# Allegro board com_v1_p3.brd (continued)
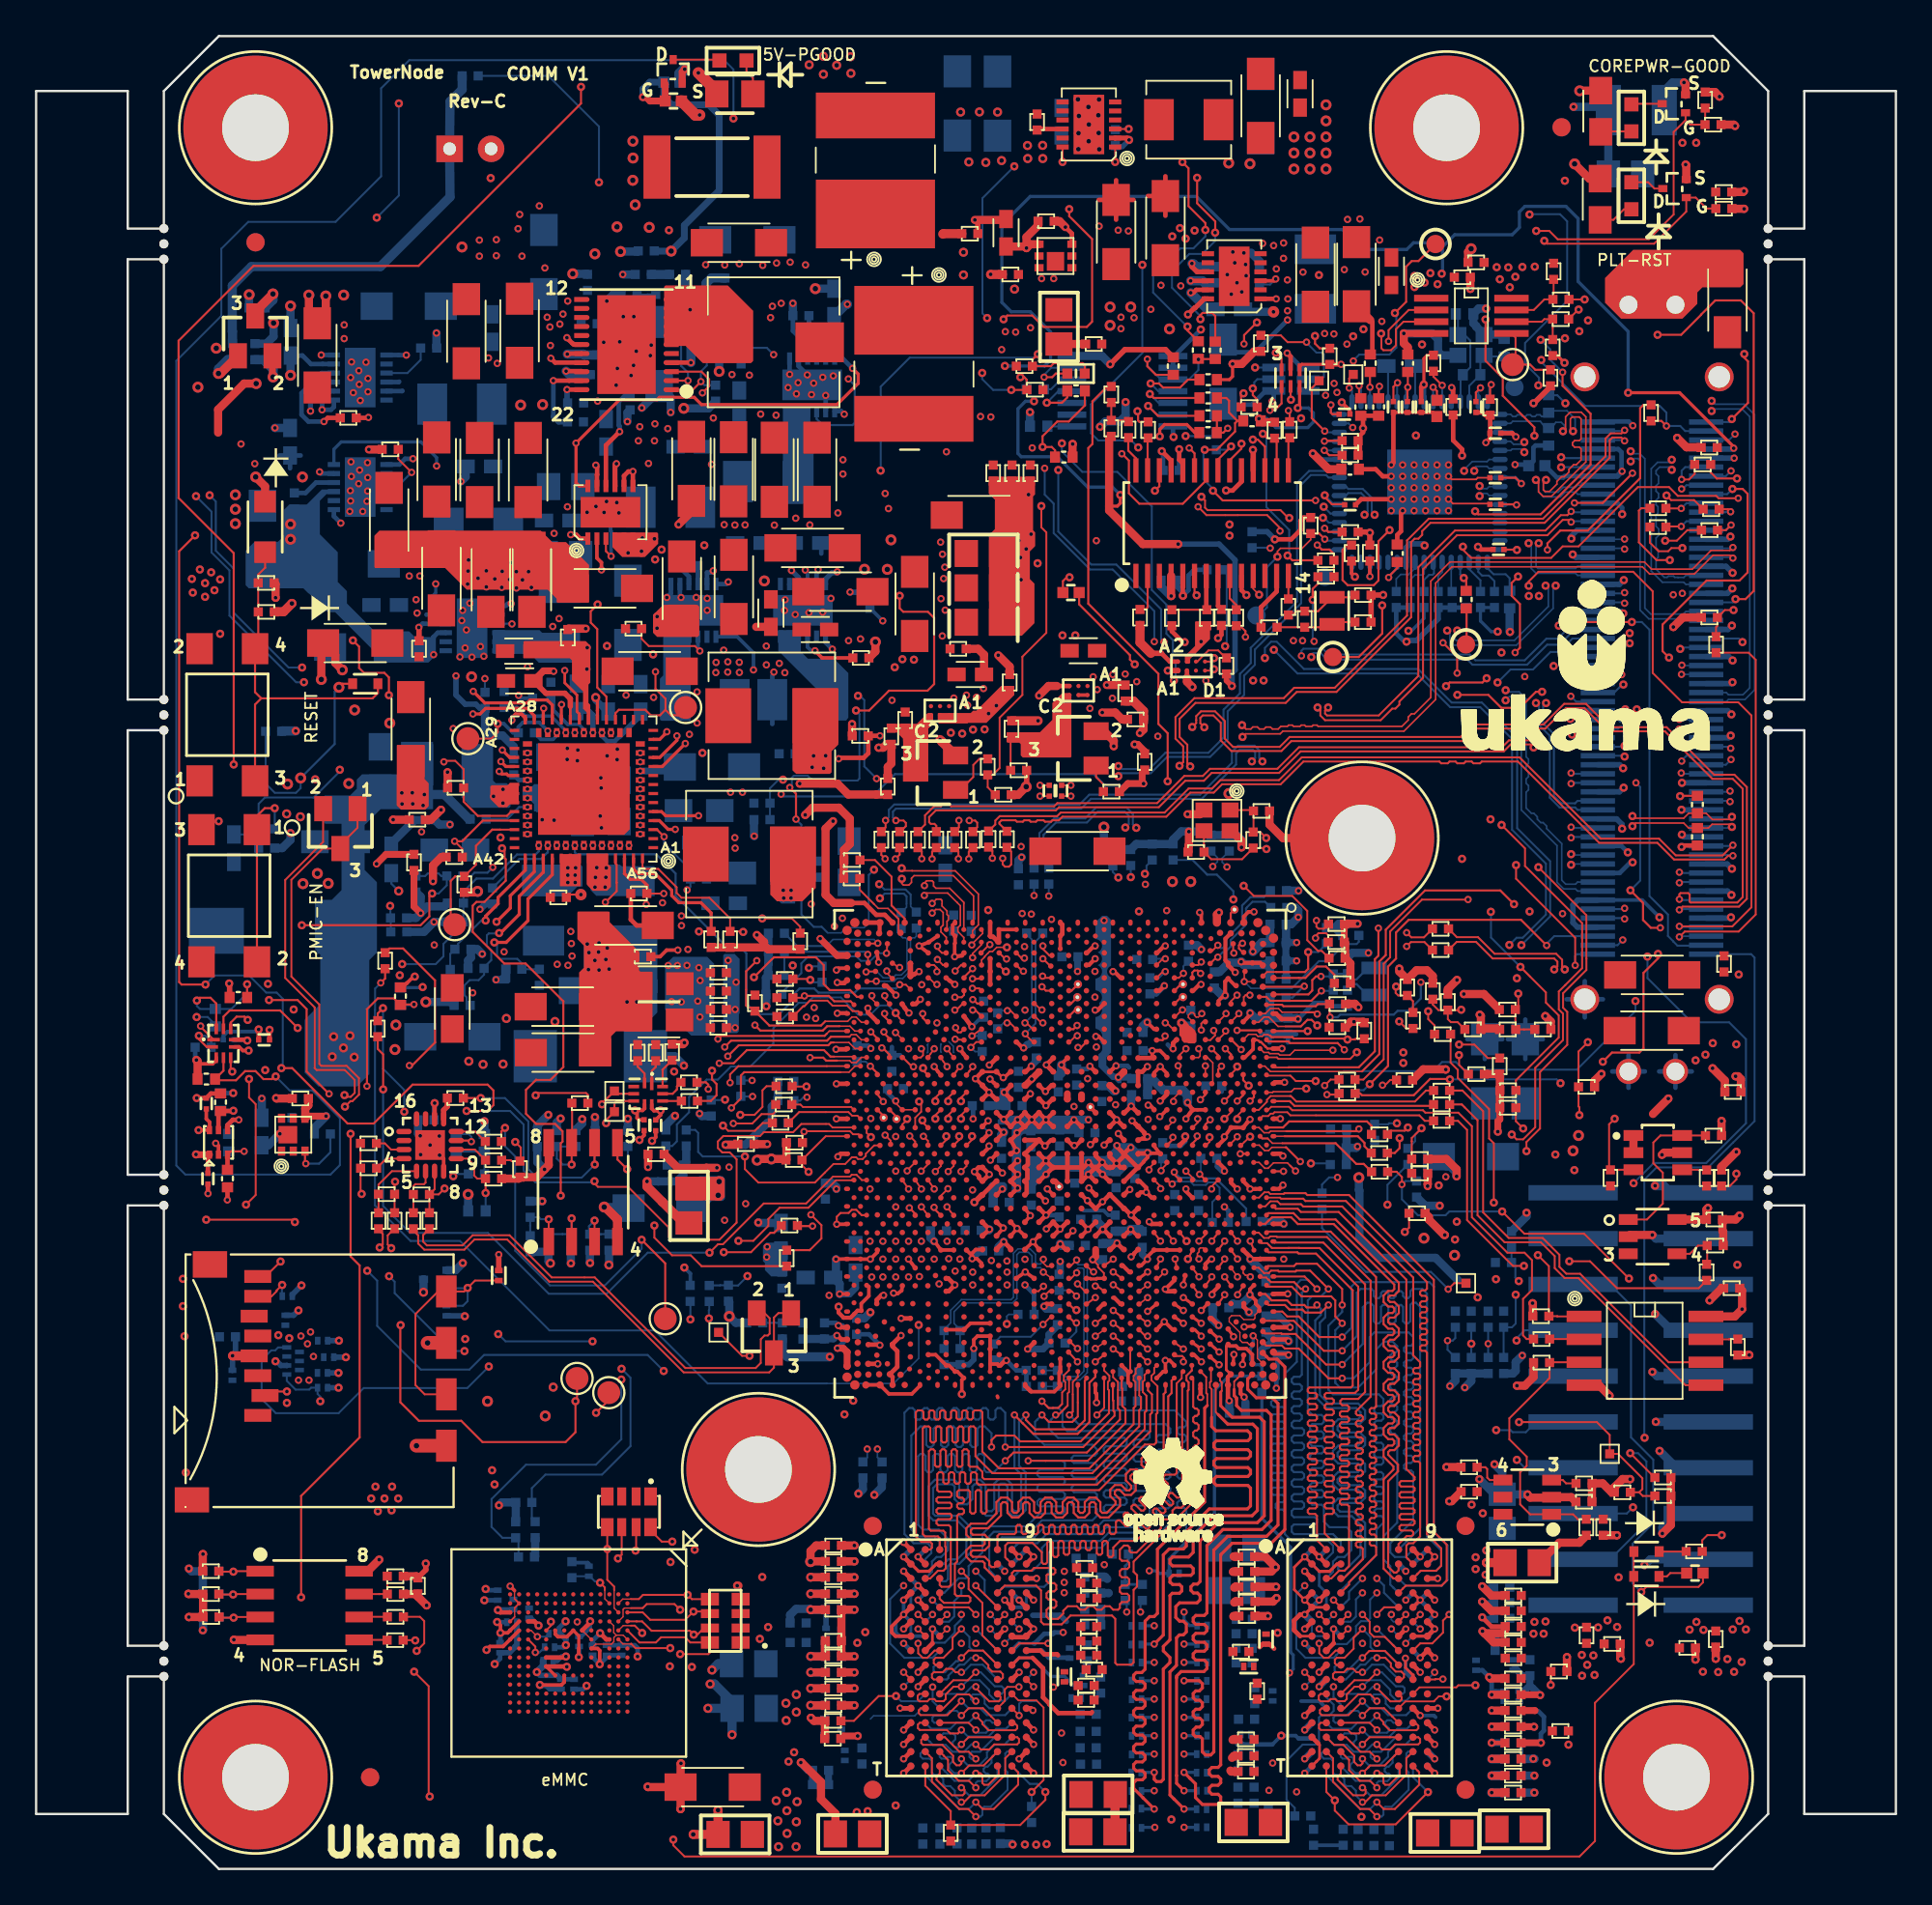
[diagram p0: board, top side]
## Placement (name value [footprint] x y rotation side) (continued)
R11507  10K  [R0402]  24.84 40.25 270 bottom
S2  SWITCH  [SW-TLS3305]  10.6 63.98 270 top
S3  SWITCH  [SW-TLS3305]  10.7 53.95 90 top
TP2C1  VIA_18-8-26_SMB  [VIA_18-8-26_SMB_T-POINT]  46.97 41.64 180 bottom
TP2C2  VIA_18-8-26_SMB  [VIA_18-8-26_SMB_T-POINT]  47.68 41.57 180 bottom
TP2C3  VIA_18-8-26_SMB  [TEST_PAD_S20]  37.82 29.74 0 top
TP2C4  VIA_18-8-26_SMB  [TEST_PAD_S20]  32.05 41.97 0 top
TP2C5  VIA_18-8-26_SMB  [TEST_PAD_S20]  32.05 43.12 0 top
TP3B1  VIA_18-8-26_SMB  [VIA_18-8-26_SMB_T-POINT]  63.55 48.33 180 bottom
TP3B2  VIA_18-8-26_SMB  [VIA_18-8-26_SMB_T-POINT]  63.55 49.04 180 bottom
TP3B3  VIA_18-8-26_SMB  [VIA_18-8-26_SMB_T-POINT]  57.73 49.04 180 bottom
TP3B4  VIA_18-8-26_SMB  [VIA_18-8-26_SMB_T-POINT]  57.7 48.32 180 bottom
TP3B5  VIA_18-8-26_SMB  [VIA_18-8-26_SMB_T-POINT]  57.74 47.62 180 bottom
TP3B6  VIA_18-8-26_SMB  [VIA_18-8-26_SMB_T-POINT]  66.41 53.18 180 bottom
TP3B7  VIA_18-8-26_SMB  [TEST_PAD_S20]  79.24 32.47 0 top
TP3B8  VIA_18-8-26_SMB  [TEST_PAD_S20]  87.2 23.01 0 top
TP3B9  TEST_PAD  [TEST_PAD_S20]  71.1 82.49 0 top
TP3B10  TEST_PAD  [TEST_PAD_S20]  72.99 82.84 0 top
TP3C1  VIA_18-8-26_SMB  [VIA_18-8-26_SMB_T-POINT]  56.69 37.82 180 bottom
TP3C2  VIA_18-8-26_SMB  [VIA_18-8-26_SMB_T-POINT]  58.42 42.23 180 bottom
TP56  T POINT R  [TP_40C]  79.23 67.88 0 top
TP57  T POINT R  [TP_40C]  71.86 67.18 0 top
TP58  T POINT R  [TP_40C]  77.55 90.07 0 top
TP59  T POINT R  [TP_40C]  67.63 69.48 180 bottom
TP126  ?  [TP_50]  23.19 52.34 0 top
TP127  ?  [TP_50]  23.93 62.66 0 top
TP130  ?  [TP_50]  35.99 64.38 0 top
TP137  ?  [TP_50]  34.86 30.5 0 top
TP138  ?  [TP_50]  31.74 26.4 0 top
TP139  ?  [TP_50]  29.98 27.19 0 top
TP141  ?  [TP_50]  81.82 83.39 0 top
U1D1  IDTP9147  [DFN12_4X3_05MM_EP]  58.34 96.7 180 top
U2A1  PCA9517A  [SSOP8_65MM_3W]  77.31 87.07 0 top
U2A2  TPS53318  [SON50P500X600X150-23N]  32.72 84.5 180 top
U2B1  IDTP9147  [DFN12_4X3_05MM_EP]  31.83 75.2 90 top
U2B2  TPS22925BNYPHR  [DSBGA6N50P2X3_86X136X40]  50.09 64.21 270 top
U2B3  IDTP9180-I0NQGI8  [LCC100_2R_8X8_05MM_EP]  30.36 59.86 180 top
U2M2  WGI210AT  [QFN50P900X900X100-65N_INTL]  76.67 76.88 90 bottom
U3  EMMC32G-M525-A53  [WFBGA_EMMC153]  29.52 11.97 270 top
U3A3  IDTP9147  [DFN12_4X3_05MM_EP]  66.39 88.29 180 top
U3A5  SLB9660TT_LPC  [TSSOP65P640X110-28N_A]  65.17 74.6 90 top
U3A6  MAX3371  [DFN50P100X150X80-6N]  69.52 82.64 270 top
U3A7  TCA9406_YZP  [BGA8N50P2X4_89X189X50_AEE]  64.02 66.68 90 top
U3B1  TPS22925BNYPHR  [DSBGA6N50P2X3_86X136X40]  57.76 65.32 270 top
U3C1  BYT_I_SOC_R1P1  [BVY_27X25_1170P_01-04]  56.75 39.64 90 top
U3L1  IDTP9147  [DFN12_4X3_05MM_EP]  43 82.26 90 bottom
U3M1  IDTP9147  [DFN12_4X3_05MM_EP]  42.5 69.77 90 bottom
U3M2  IDTP9147  [DFN12_4X3_05MM_EP]  36.43 69.77 90 bottom
U4C1  W25Q64FWSSIG  [SOI8_50IN_213X210]  89.15 28.72 0 top
U4L1  IDTP9147  [DFN12_4X3_05MM_EP]  17.96 82.67 180 bottom
U4M1  IDTP9147  [DFN12_4X3_05MM_EP]  17.96 76.6 180 bottom
U4M3  IDTP9147  [DFN12_4X3_05MM_EP]  24.16 68.78 180 bottom
U11  PUSB3FR6  [SOT_7P_2_20X1_20_0_5MM]  14.24 28.16 0 bottom
U16  TPS3124J18DBVR  [SOT-23_5P_1_70X3_00_1_45MM]  89.58 35.05 0 top
U24  NT5CC256M16DP-DIT  [BGA96C80P9X16_900X1300X100]  73.9 11.7 180 bottom
U27  NT5CC256M16DP-DIT  [BGA96C80P9X16_900X1300X100]  73.9 11.7 0 top
U30  NT5CC256M16DP-DIT  [BGA96C80P9X16_900X1300X100]  51.67 11.7 180 bottom
U37  NT5CC256M16DP-DIT  [BGA96C80P9X16_900X1300X100]  51.67 11.7 0 top
U87  TCA9543A  [TSSOP65PX640X120X14N]  60.2 81.91 180 bottom
U253  TPS3808G18QDBVRQ1  [SOT95P280X145-6N]  82.63 20.61 180 top
U304  CAT24C256WI-GT3  [SOIC127P600X175-8N_ON-SEMI]  30.31 37.52 90 top
U7157  TMP464AIRGTR  [QFN50P300X300X100-17N]  21.83 40.13 0 top
U7177  SN74AVC2T245RSWR  [QFN40P185X145X55-10N]  33.92 42.97 270 top
U9002  SN74LVC1G97DBVR  [SOT23_6P_1_75X3_05_1_45MM]  89.87 39.71 0 top
U9003  CAT24C256WI-GT3  [SOIC127P600X175-8N_ON-SEMI]  15.16 14.6 0 top
U9004  SN74AVC2T245RSWR  [QFN40P185X145X55-10N]  10.38 45.77 0 top
U9005  -  [SN74AVC1T45DRLR]  10.11 40.27 0 top
Y2M2  32.768KHZCRYSTAL  [XTAL205X120X60N]  74.14 49.19 90 bottom
Y2M3  25.000MHZ  [SMY_FA128]  79.52 84.48 180 bottom
Y3A1  32.768KHZCRYSTAL  [XTAL205X120X60N]  71.81 69.74 90 top
Y3B2  25.000MHZ  [SMY_FA128]  65.44 58.12 180 top

## Library data of the parts
C1A2 C1A3 C1B1-C1B4 C2A1 C2A3 C2B1-C2B6 C2B8 C2B9 C2B11-C2B15 C2B17 C2B22 C2B29-C2B32 C2B34 C2B39-C2B43 C2B45-C2B52 C2B55 C2B56 C2L14-C2L16 C2M20 C2M21 C2N13 C2N16 C2N25 C2N43 C3L4-C3L6 C3L9 C3L12 C3L14 C3L15 C3L17-C3L23 C3M6-C3M10 C3M14 C3M18-C3M21 C3M24 C3M27 C3M179-C3M181 C3N2 C4L4-C4L6 C4M2 C4M3 C4M6 C4M7 C4M9 C4M10 C4P18 C4P19 C4P23 = CAPN#2: signal model: CAPACITOR20PF
C1A4 C1A5 C1B7 C1D2 C1L11 C1N3 C1N7-C1N10 C2A10-C2A12 C2A14-C2A17 C2B7 C2B10 C2B16 C2B18-C2B21 C2B23-C2B25 C2B35-C2B37 C2C1-C2C3 C2C12 C2M10 C2M13-C2M15 C2M17-C2M19 C2N2 C2N4 C2N5 C2N7 C2N8 C2N10 C2N12 C2N14 C2N15 C2N17-C2N19 C2N22-C2N24 C2N26-C2N28 C2N31-C2N33 C2N36-C2N41 C3A10 C3A12-C3A14 C3A22 C3A24 C3A26-C3A28 C3B12 C3B15-C3B17 C3B21 C3B33 C3C1 C3L7 C3L10 C3M1 C3M3 C3M5 C3M11-C3M13 C3M15 C3M17 C3M22 C3M23 C3M25 C3M26 C3M28-C3M31 C3M33 C3N1 C3N4 C3N6 C3N9 C3N11-C3N14 C3N18 C3N20 C3N23-C3N31 C4A10 C4A11 C4P5 C4P10 C4P21 C4P24 C4P25 = CAPN#1: signal model: CAPACITOR20PF
C2A9 C2A13 C2C8 C2P3 = CAP_P: signal model: CAPACITOR20PF
C2C7 C2M12 C2M16 C2N1 C2N3 C2N6 C2N9 C2N11 C3N7 C3N8 C3N16 C3N21 = CAPN#3: signal model: CAPACITOR20PF
C2M9 C2M24 = CAPN#5
C2M11 C2M23 = CAPN#5: signal model: CAPACITOR20PF
C2M22 C3A23 C3A25 C3B14 C3B18 C3B20 C3B23 C3B25 C3B26 C3B34 C3B35 = CAPN#1
C2N34 C2N44-C2N47 C3B22 C3B32 = CAPN: signal model: CAPACITOR20PF
C3B36 = CAPN#2
C3M32 C3N3 = CAPN#4: signal model: CAPACITOR20PF
C4-C7 C18 C27 C31 C34 C37 C39 C42 C69 C70 C91 C92 C129 C134 C139 C140 C151 C167-C172 C175-C177 C180 C182-C186 C188 C189 C191 C208-C213 C220-C223 C228 C230-C236 C248-C250 C252 C253 C256-C259 C262 C265-C271 C281-C286 C292-C297 C308-C311 C313-C315 C342-C352 C2158 C2159 C4746 R267 R269 R296 R297 R346 R352 R421 R422 R476 R480 R546 R547 R614 R615 R640 R641 = C
C164 C165 C181 C202 C203 C224 C243 C244 C264 C279 C280 C301 C324 C325 = CAP NP
C1833 C1918 C1981 C1982 C1999 C2000 C2034 C2036-C2039 C2152-C2157 C4747 = CAP_CER_0.1UF_10V_10%_X5R_0402
C2040 C2130-C2132 = CAP-NP_1
C4662 C4749 = CAP CER 0.1UF 25V 10% X7R 0402
C4671 C4745 C4750 C4751 = CAP_CER_0.1uF_0402_25V
C4672 = CAP_CER_1.1uF_0402_25V
C4752 = CAPACITOR POL
CN1 = SD_MICRO_MSPN09-X0-1002_3
CR1L1 = DIOSOT23C
D1 = D5V0L2B3T
D10089 D10136 D10147 D10149 = DIODE_SCHOTTKY_30V_0.2A SOD523
D10113 D10115 D10148 = LED_wp117
J20 = FX23-100P_COM
J3321 = eJTAG Header_5
L1D1 L2B1 L2B2 L2L1 L3M1-L3M7 L4L1 L4M1 = INDUCTOR#1: signal model: INDUCTOR15NH
L2A1 = CHOKE
L4M2 = INDUCTOR: signal model: INDUCTOR15NH
MH1-MH6 = Mounting_Hole_0
NR4 NR5 = RES_ARRAY2
Q1D1 Q3A1 = MOSFETP_6PIN
Q2B1 Q3B1 = NPN
Q2N1 = MOSFETN_DUAL_6P
Q40 Q41 = NPN#1
Q135 Q138 = 2N7002L_4
Q137 = 2N7002L_5
R1A1-R1A12 R1A14 R1A15 R1B8 R1B14 R1B19 R1B23 R1B24 R1B29-R1B32 R1P17 R1P28-R1P30 R2A5 R2A14 R2A15 R2A17 R2B4 R2B6 R2B8 R2B12 R2B15 R2B19 R2B25 R2B27 R2B29 R2B33 R2B34 R2B38 R2B39 R2B43-R2B45 R2C1 R2C25 R2C26 R2M24 R2M25 R2M28 R2M30-R2M34 R2M37 R2M43 R2M44 R2M46 R2M47 R2M49 R2M51 R2M53 R2M54 R2M56-R2M58 R2M61 R2N1 R2N2 R2N5 R2N12-R2N14 R2N18-R2N21 R3A5 R3A17 R3A20 R3B3 R3B11 R3B15 R3B16 R3C5 R3C17 R3C18 R3L4 R3L8 R3L9 R3L11 R3L13 R3L15 R3M4 R3M5 R3M7 R3M10 R3N15 R3N25 R3N27 R3N30 R4A12-R4A15 R4M14 R4M17-R4M24 R4P11 R10557 R10811 = RESN: signal model: RESISTOR50
R1B2 R1L1-R1L3 R2A1 R2A3 R2A13 R2A16 R2A18-R2A25 R2B1 R2B2 R2B10 R2B22 R2B31 R2B32 R2C9 R2C12 R2L12 R2M26 R2M27 R2M29 R2M35 R2M36 R2M38-R2M42 R2M45 R2M48 R2M50 R2M52 R2M55 R2M59 R2M60 R2N6 R2N7 R2N15 R2N16 R2N24-R2N26 R3B4 R3B5 R3B8-R3B10 R3B12 R3B13 R3B17 R3B19-R3B23 R3C1 R3C8 R3C10 R3C12 R3C14 R3C16 R3C19 R3C20 R3L6 R3L7 R3L12 R3L14 R3L16 R3M1 R3M11 R3N6-R3N8 R3N14 R3N16 R3N20 R3N24 R3N26 R3N28 R3N29 R4L2 R4M6 R4M9 R4M12 R4P6 = RESN#1: signal model: RESISTOR50
R1N4 R1N17 = RESN#3: signal model: RESISTOR50
R2B36 = RESN#1
R3A18 R3A19 = RESN#5_0
R3B14 = RESN#2: signal model: RESISTOR50
R10-R12 R20-R22 R36 R39 R185 R268 R270 R298 R299 R301 R350 R351 R375 R384 R423 R424 R481 R482 R542 R548 R562 R616 R617 R639 R642 R647 R658 R11232-R11255 R11257 R11261 R11379 R11380 R11492 R11497 R11499 = R
R55 R11486 = RES_0.0_OHM_1/16W_0402_SMD
R211 R11439-R11441 = R: signal model: DEFAULT_RESISTOR_1000OHM_1_2
R618 R619 R622 R623 R627 R11490 R11502 = RES
R620 R624 R11491 R11503 = RES_10K_0402_63mW
R625 R626 R1355-R1358 R11495 = RES SMD 10K OHM 5% 1/16W 0402
R1352-R1354 R1359 = RES SMD 100K OHM 1% 1/16W 0402
R1360 R1361 = RES_0ohm_0402_63mW
R1750-R1753 R11256 R11374 R11375 R11505 = RES_0ohm_0402_0
R10373 R10378 R10388 R10552 R10709 R10803 R10806 R10809 R11023 R11024 R11144 R11154 R11160-R11163 R11221-R11224 R11262-R11267 R11274 = R_1
R10375 R10603 R10605-R10610 R10762-R10765 R11021 R11022 R11130 R11131 R11156 R11157 R11231 R11280 R11487 R11501 = RES_1.0_OHM_1/16W_0402_SMD
R10550 R10551 R11165 R11166 R11259 R11260 = RES_22_OHM_1/10W_5%_0402_SMD_0
R10781 R10787 R11381 = RES_100K_1/16W_5%_0402_SMD_1
R10782 R10788 R10805 R11155 R11382 = 100K-1/16W-5%-0603_0
R11132 R11133 R11145 R11276-R11279 R11377 R11378 = RES_0.9_OHM_1/10W_1%_0402_SMD
R11275 R11376 R11504 R11507 = RES_10K_0402_1
R11493 = RESISTOR_0ohm_0402_100mw
R11494 R11498 R11500 R11506 = R_2
S2 = SWITCH_2
S3 = SWITCH_1
TP2C1-TP2C5 TP3C1 = T_POINT1
TP3B1 TP3B2 TP3B6 TP3C2 TP126 TP127 TP130 TP137-TP139 TP141 = T_POINT1#1_1
TP3B3 = T_POINT1_0
TP3B4 = T_POINT1_1
TP3B5 TP3B7 TP3B8 = T_POINT1_2
TP3B9 TP3B10 = TEST_PAD
TP56-TP59 = T POINT R
U1D1 U2B1 U3A3 U3L1 U3M1 U3M2 U4L1 U4M1 U4M3 = IDTP9147
U2A1 = PCA9517A
U2A2 = TPS53318
U2B2 = TPS22922_1
U2B3 = IDTP9145_R1P15
U2M2 = WGI210AT
U3 = EMMC_NAND_FBGA169_5
U3A5 = SLB9635TT_LPC_4
U3A6 = MAX3371
U3A7 = TCA9406_YZP
U3B1 = TPS22922_0
U3C1 = BYT_I_SOC_R1P1
U4C1 = W25Q64DW_0
U11 = IC_TVS-ARR_6LINE_UNI_7P
U16 = ADM6316_1
U24 U27 U30 U37 = NT5CC256M16DP-DIT
U87 = TCA9543
U253 = TPS3808G50QDBVRQ1_1
U304 U9003 = CAT24C256WI-GT3
U7157 = TMP464AIRGTR_2
U7177 U9004 = SN74AVC2T245RSWR_0
U9002 = SN74LVC1G97DBVR
U9005 = SN74AVC1T45DRLR
Y2M2 = CRYSTAL
Y2M3 = XTAL4P
Y3A1 = CRYSTAL#1
Y3B2 = CRYSTAL_4P

## Footprints (pads in the part's own frame, mm; a bottom-side part is the same pattern mirrored in y, then rotated)
BGA8N50P2X4_89X189X50_AEE
  round 0.23 smd: A1(-0.25,0.75) A2(0.25,0.75) B1(-0.25,0.25) B2(0.25,0.25) C1(-0.25,-0.25) C2(0.25,-0.25) D1(-0.25,-0.75) D2(0.25,-0.75)
BGA96C80P9X16_900X1300X100
  round 0.4 smd: A1(-3.2,6) A2(-2.4,6) A3(-1.6,6) A7(1.6,6) A8(2.4,6) A9(3.2,6) B1(-3.2,5.2) B2(-2.4,5.2) B3(-1.6,5.2) B7(1.6,5.2) B8(2.4,5.2) B9(3.2,5.2) C1(-3.2,4.4) C2(-2.4,4.4) C3(-1.6,4.4) C7(1.6,4.4) C8(2.4,4.4) C9(3.2,4.4) D1(-3.2,3.6) D2(-2.4,3.6) D3(-1.6,3.6) D7(1.6,3.6) D8(2.4,3.6) D9(3.2,3.6) E1(-3.2,2.8) E2(-2.4,2.8) E3(-1.6,2.8) E7(1.6,2.8) E8(2.4,2.8) E9(3.2,2.8) F1(-3.2,2) F2(-2.4,2) F3(-1.6,2) F7(1.6,2) F8(2.4,2) F9(3.2,2) G1(-3.2,1.2) G2(-2.4,1.2) G3(-1.6,1.2) G7(1.6,1.2) G8(2.4,1.2) G9(3.2,1.2) H1(-3.2,0.4) H2(-2.4,0.4) H3(-1.6,0.4) H7(1.6,0.4) H8(2.4,0.4) H9(3.2,0.4) J1(-3.2,-0.4) J2(-2.4,-0.4) J3(-1.6,-0.4) J7(1.6,-0.4) J8(2.4,-0.4) J9(3.2,-0.4) K1(-3.2,-1.2) K2(-2.4,-1.2) K3(-1.6,-1.2) K7(1.6,-1.2) K8(2.4,-1.2) K9(3.2,-1.2) L1(-3.2,-2) L2(-2.4,-2) L3(-1.6,-2) L7(1.6,-2) L8(2.4,-2) L9(3.2,-2) M1(-3.2,-2.8) M2(-2.4,-2.8) M3(-1.6,-2.8) M7(1.6,-2.8) M8(2.4,-2.8) M9(3.2,-2.8) N1(-3.2,-3.6) N2(-2.4,-3.6) N3(-1.6,-3.6) N7(1.6,-3.6) N8(2.4,-3.6) N9(3.2,-3.6) P1(-3.2,-4.4) P2(-2.4,-4.4) P3(-1.6,-4.4) P7(1.6,-4.4) P8(2.4,-4.4) P9(3.2,-4.4) R1(-3.2,-5.2) R2(-2.4,-5.2) R3(-1.6,-5.2) R7(1.6,-5.2) R8(2.4,-5.2) R9(3.2,-5.2) T1(-3.2,-6) T2(-2.4,-6) T3(-1.6,-6) T7(1.6,-6) T8(2.4,-6) T9(3.2,-6)
BVY_27X25_1170P_01-04
  round 0.521 smd: A3(11.951,-11.814) A52(-12.383,-11.814) B2(12.383,-11.383) B53(-12.814,-11.383) BH1(12.814,11.383) BH53(-12.814,11.383) BJ2(12.383,11.814) BJ52(-12.383,11.814) C1(12.814,-10.951)
  round 0.406 smd: A5(11.17,-11.814) A6(10.447,-11.814) A49(-10.992,-11.814) A51(-11.773,-11.814) B52(-12.225,-11.225) BE1(12.814,9.992) BE53(-12.814,9.992) BG1(12.814,10.773) BG53(-12.814,10.773) BH2(12.225,11.225) BH52(-12.225,11.225) BJ3(11.773,11.814) BJ5(10.992,11.814) BJ49(-10.992,11.814) BJ51(-11.773,11.814) C53(-12.814,-10.773) E1(12.814,-10.17) E53(-12.814,-9.992) F1(12.814,-9.446)
  round 0.356 smd: A7(9.748,-11.814) A9(8.836,-11.814) A47(-9.621,-11.814) A48(-10.294,-11.814) B4(11.632,-11.238) B5(11.038,-11.223) B6(10.445,-11.221) B8(9.258,-11.224) B46(-9.258,-11.224) B48(-10.445,-11.221) B49(-11.038,-11.223) B50(-11.632,-11.238) BC1(12.814,8.621) BC2(12.246,8.852) BC52(-12.246,8.852) BC53(-12.814,8.621) BD1(12.814,9.294) BD2(12.221,9.445) BD52(-12.221,9.445) BD53(-12.814,9.294) BE2(12.223,10.038) BE52(-12.223,10.038) BF2(12.238,10.632) BF52(-12.238,10.632) BG3(11.644,10.644) BG51(-11.644,10.644) BH4(11.632,11.238) BH5(11.038,11.223) BH6(10.445,11.221) BH8(9.258,11.224) BH46(-9.258,11.224) BH48(-10.445,11.221) BH49(-11.038,11.223) BH50(-11.632,11.238) BJ6(10.294,11.814) BJ7(9.621,11.814) BJ47(-9.621,11.814) BJ48(-10.294,11.814) C3(11.644,-10.644) C51(-11.644,-10.644) D2(12.238,-10.632) D52(-12.238,-10.632) E2(12.223,-10.038) E52(-12.223,-10.038) F2(12.221,-9.445) F52(-12.221,-9.445) F53(-12.814,-9.294) G1(12.814,-8.679) G2(12.246,-8.852) G52(-12.246,-8.852) G53(-12.814,-8.621) J1(12.814,-7.816)
  oval 0.254x0.343 smd: A11(7.774,-11.814) A13(6.803,-11.814) A15(5.831,-11.814) A17(4.859,-11.814) A19(3.887,-11.814) A21(2.915,-11.814) A23(1.944,-11.814) A25(0.972,-11.814) A27(0,-11.814) A29(-0.972,-11.814) A31(-1.944,-11.814) A33(-2.915,-11.814) A35(-3.887,-11.814) A37(-4.859,-11.814) A39(-5.831,-11.814) A41(-6.803,-11.814) A43(-7.774,-11.814) A45(-8.746,-11.814) BJ9(8.746,11.814) BJ11(7.774,11.814) BJ13(6.803,11.814) BJ15(5.831,11.814) BJ17(4.859,11.814) BJ19(3.887,11.814) BJ21(2.915,11.814) BJ23(1.944,11.814) BJ25(0.972,11.814) BJ27(0,11.814) BJ29(-0.972,11.814) BJ31(-1.944,11.814) BJ33(-2.915,11.814) BJ35(-3.887,11.814) BJ37(-4.859,11.814) BJ39(-5.831,11.814) BJ41(-6.803,11.814) BJ43(-7.774,11.814) BJ45(-8.746,11.814)
  oval 0.343x0.254 smd: AA1(12.814,-1.944) AA53(-12.814,-1.944) AC1(12.814,-0.972) AC53(-12.814,-0.972) AE1(12.814,0) AE53(-12.814,0) AG1(12.814,0.972) AG53(-12.814,0.972) AJ1(12.814,1.944) AJ53(-12.814,1.944) AL1(12.814,2.915) AL53(-12.814,2.915) AN1(12.814,3.887) AN53(-12.814,3.887) AR1(12.814,4.859) AR53(-12.814,4.859) AU1(12.814,5.831) AU53(-12.814,5.831) AW1(12.814,6.803) AW53(-12.814,6.803) BA1(12.814,7.774) BA53(-12.814,7.774) J53(-12.814,-7.774) L1(12.814,-6.803) L53(-12.814,-6.803) N1(12.814,-5.831) N53(-12.814,-5.831) R1(12.814,-4.859) R53(-12.814,-4.859) U1(12.814,-3.887) U53(-12.814,-3.887) W1(12.814,-2.915) W53(-12.814,-2.915)
  round 0.279 smd: AA3(12.071,-1.944) AA51(-12.071,-1.944) AB2(12.429,-1.458) AB3(11.73,-1.458) AB51(-11.73,-1.458) AB52(-12.429,-1.458) AC3(12.071,-0.972) AC51(-12.071,-0.972) AD2(12.429,-0.486) AD3(11.715,-0.48) AD51(-11.715,-0.48) AD52(-12.429,-0.486) AE3(12.071,0) AE4(11.366,0) AE50(-11.366,0) AE51(-12.071,0) AF2(12.429,0.486) AF3(11.715,0.48) AF51(-11.715,0.48) AF52(-12.429,0.486) AG3(12.071,0.972) AG51(-12.071,0.972) AH2(12.429,1.458) AH3(11.73,1.458) AH51(-11.73,1.458) AH52(-12.429,1.458) AJ3(12.071,1.944) AJ51(-12.071,1.944) AK2(12.429,2.43) AK3(11.73,2.43) AK51(-11.73,2.43) AK52(-12.429,2.43) AL3(12.071,2.915) AL51(-12.071,2.915) AM2(12.429,3.401) AM3(11.73,3.401) AM51(-11.73,3.401) AM52(-12.429,3.401) AN3(12.071,3.887) AN51(-12.071,3.887) AP2(12.429,4.373) AP3(11.73,4.373) AP51(-11.73,4.373) AP52(-12.429,4.373) AR3(12.071,4.859) AR51(-12.071,4.859) AT2(12.429,5.345) AT3(11.73,5.345) AT51(-11.73,5.345) AT52(-12.429,5.345) AU3(12.071,5.831) AU51(-12.071,5.831) AV2(12.429,6.317) AV3(11.73,6.317) AV51(-11.73,6.317) AV52(-12.429,6.317) AW3(12.071,6.803) AW51(-12.071,6.803) AY2(12.429,7.289) AY3(11.73,7.289) AY51(-11.73,7.289) AY52(-12.429,7.289) B10(8.26,-11.429) B12(7.289,-11.429) B14(6.317,-11.429) B16(5.345,-11.429) B18(4.373,-11.429) B20(3.401,-11.429) B22(2.43,-11.429) B24(1.458,-11.429) B26(0.486,-11.429) B28(-0.486,-11.429) B30(-1.458,-11.429) B32(-2.43,-11.429) B34(-3.401,-11.429) B36(-4.373,-11.429) B38(-5.345,-11.429) B40(-6.317,-11.429) B42(-7.289,-11.429) B44(-8.26,-11.429) BA3(12.071,7.774) BA51(-12.071,7.774) BB3(11.929,8.351) BB51(-11.929,8.351) BF27(0,10.366) BG9(8.698,11.028) BG11(7.774,11.071) BG12(7.289,10.73) BG13(6.803,11.071) BG14(6.317,10.73) BG15(5.831,11.071) BG16(5.345,10.73) BG17(4.859,11.071) BG18(4.373,10.73) BG19(3.887,11.071) BG20(3.401,10.73) BG21(2.915,11.071) BG22(2.43,10.73) BG23(1.944,11.071) BG24(1.458,10.73) BG25(0.972,11.071) BG26(0.48,10.715) BG27(0,11.071) BG28(-0.48,10.715) BG29(-0.972,11.071) BG30(-1.458,10.73) BG31(-1.944,11.071) BG32(-2.43,10.73) BG33(-2.915,11.071) BG34(-3.401,10.73) BG35(-3.887,11.071) BG36(-4.373,10.73) BG37(-4.859,11.071) BG38(-5.345,10.73) BG39(-5.831,11.071) BG40(-6.317,10.73) BG41(-6.803,11.071) BG42(-7.289,10.73) BG43(-7.774,11.071) BG45(-8.698,11.028) BH10(8.26,11.429) BH12(7.289,11.429) BH14(6.317,11.429) BH16(5.345,11.429) BH18(4.373,11.429) BH20(3.401,11.429) BH22(2.43,11.429) BH24(1.458,11.429) BH26(0.486,11.429) BH28(-0.486,11.429) BH30(-1.458,11.429) BH32(-2.43,11.429) BH34(-3.401,11.429) BH36(-4.373,11.429) BH38(-5.345,11.429) BH40(-6.317,11.429) BH42(-7.289,11.429) BH44(-8.26,11.429) C9(8.698,-11.028) C11(7.774,-11.071) C12(7.289,-10.73) C13(6.803,-11.071) C14(6.317,-10.73) C15(5.831,-11.071) C16(5.345,-10.73) C17(4.859,-11.071) C18(4.373,-10.73) C19(3.887,-11.071) C20(3.401,-10.73) C21(2.915,-11.071) C22(2.43,-10.73) C23(1.944,-11.071) C24(1.458,-10.73) C25(0.972,-11.071) C26(0.48,-10.715) C27(0,-11.071) C28(-0.48,-10.715) C29(-0.972,-11.071) C30(-1.458,-10.73) C31(-1.944,-11.071) C32(-2.43,-10.73) C33(-2.915,-11.071) C34(-3.401,-10.73) C35(-3.887,-11.071) C36(-4.373,-10.73) C37(-4.859,-11.071) C38(-5.345,-10.73) C39(-5.831,-11.071) C40(-6.317,-10.73) C41(-6.803,-11.071) C42(-7.289,-10.73) C43(-7.774,-11.071) C45(-8.698,-11.028) D27(0,-10.366) H3(11.929,-8.351) H51(-11.929,-8.351) J3(12.071,-7.774) J51(-12.071,-7.774) K2(12.429,-7.289) K3(11.73,-7.289) K51(-11.73,-7.289) K52(-12.429,-7.289) L3(12.071,-6.803) L51(-12.071,-6.803) M2(12.429,-6.317) M3(11.73,-6.317) M51(-11.73,-6.317) M52(-12.429,-6.317) N3(12.071,-5.831) N51(-12.071,-5.831) P2(12.429,-5.345) P3(11.73,-5.345) P51(-11.73,-5.345) P52(-12.429,-5.345) R3(12.071,-4.859) R51(-12.071,-4.859) T2(12.429,-4.373) T3(11.73,-4.373) T51(-11.73,-4.373) T52(-12.429,-4.373) U3(12.071,-3.887) U51(-12.071,-3.887) V2(12.429,-3.401) V3(11.73,-3.401) V51(-11.73,-3.401) V52(-12.429,-3.401) W3(12.071,-2.915) W51(-12.071,-2.915) Y2(12.429,-2.43) Y3(11.73,-2.43) Y51(-11.73,-2.43) Y52(-12.429,-2.43)
  round 0.33 smd: AA16(5.307,-1.961) AA18(4.549,-1.961) AA19(3.791,-1.961) AA21(3.033,-1.961) AA22(2.275,-1.961) AA24(1.516,-1.961) AA25(0.758,-1.961) AA27(0,-1.961) AA29(-0.758,-1.961) AA30(-1.516,-1.961) AA32(-2.275,-1.961) AA33(-3.033,-1.961) AA35(-3.791,-1.961) AA36(-4.549,-1.961) AA38(-5.307,-1.961) AC16(5.307,-1.177) AC18(4.549,-1.177) AC19(3.791,-1.177) AC21(3.033,-1.177) AC22(2.275,-1.177) AC24(1.516,-1.177) AC25(0.758,-1.177) AC27(0,-1.177) AC29(-0.758,-1.177) AC30(-1.516,-1.177) AC32(-2.275,-1.177) AC33(-3.033,-1.177) AC35(-3.791,-1.177) AC36(-4.549,-1.177) AC38(-5.307,-1.177) AD16(5.307,-0.392) AD18(4.549,-0.392) AD19(3.791,-0.392) AD21(3.033,-0.392) AD22(2.275,-0.392) AD24(1.516,-0.392) AD25(0.758,-0.392) AD27(0,-0.392) AD29(-0.758,-0.392) AD30(-1.516,-0.392) AD32(-2.275,-0.392) AD33(-3.033,-0.392) AD35(-3.791,-0.392) AD36(-4.549,-0.392) AD38(-5.307,-0.392) AF16(5.307,0.392) AF18(4.549,0.392) AF19(3.791,0.392) AF21(3.033,0.392) AF22(2.275,0.392) AF24(1.516,0.392) AF25(0.758,0.392) AF27(0,0.392) AF29(-0.758,0.392) AF30(-1.516,0.392) AF32(-2.275,0.392) AF33(-3.033,0.392) AF35(-3.791,0.392) AF36(-4.549,0.392) AF38(-5.307,0.392) AG16(5.307,1.177) AG18(4.549,1.177) AG19(3.791,1.177) AG21(3.033,1.177) AG22(2.275,1.177) AG24(1.516,1.177) AG25(0.758,1.177) AG27(0,1.177) AG29(-0.758,1.177) AG30(-1.516,1.177) AG32(-2.275,1.177) AG33(-3.033,1.177) AG35(-3.791,1.177) AG36(-4.549,1.177) AG38(-5.307,1.177) AJ16(5.307,1.961) AJ18(4.549,1.961) AJ19(3.791,1.961) AJ21(3.033,1.961) AJ22(2.275,1.961) AJ24(1.516,1.961) AJ25(0.758,1.961) AJ27(0,1.961) AJ29(-0.758,1.961) AJ30(-1.516,1.961) AJ32(-2.275,1.961) AJ33(-3.033,1.961) AJ35(-3.791,1.961) AJ36(-4.549,1.961) AJ38(-5.307,1.961) AK16(5.307,2.745) AK18(4.549,2.745) AK19(3.791,2.745) AK21(3.033,2.745) AK22(2.275,2.745) AK24(1.516,2.745) AK25(0.758,2.745) AK27(0,2.745) AK29(-0.758,2.745) AK30(-1.516,2.745) AK32(-2.275,2.745) AK33(-3.033,2.745) AK35(-3.791,2.745) AK36(-4.549,2.745) AK38(-5.307,2.745) AM16(5.307,3.53) AM18(4.549,3.53) AM19(3.791,3.53) AM21(3.033,3.53) AM22(2.275,3.53) AM24(1.516,3.53) AM25(0.758,3.53) AM27(0,3.53) AM29(-0.758,3.53) AM30(-1.516,3.53) AM32(-2.275,3.53) AM33(-3.033,3.53) AM35(-3.791,3.53) AM36(-4.549,3.53) AM38(-5.307,3.53) AN16(5.307,4.314) AN18(4.549,4.314) AN19(3.791,4.314) AN21(3.033,4.314) AN22(2.275,4.314) AN24(1.516,4.314) AN25(0.758,4.314) AN27(0,4.314) AN29(-0.758,4.314) AN30(-1.516,4.314) AN32(-2.275,4.314) AN33(-3.033,4.314) AN35(-3.791,4.314) AN36(-4.549,4.314) AN38(-5.307,4.314) U16(5.307,-4.314) U18(4.549,-4.314) U19(3.791,-4.314) U21(3.033,-4.314) U22(2.275,-4.314) U24(1.516,-4.314) U25(0.758,-4.314) U27(0,-4.314) U29(-0.758,-4.314) U30(-1.516,-4.314) U32(-2.275,-4.314) U33(-3.033,-4.314) U35(-3.791,-4.314) U36(-4.549,-4.314) U38(-5.307,-4.314) V16(5.307,-3.53) V18(4.549,-3.53) V19(3.791,-3.53) V21(3.033,-3.53) V22(2.275,-3.53) V24(1.516,-3.53) V25(0.758,-3.53) V27(0,-3.53) V29(-0.758,-3.53) V30(-1.516,-3.53) V32(-2.275,-3.53) V33(-3.033,-3.53) V35(-3.791,-3.53) V36(-4.549,-3.53) V38(-5.307,-3.53) Y16(5.307,-2.745) Y18(4.549,-2.745) Y19(3.791,-2.745) Y21(3.033,-2.745) Y22(2.275,-2.745) Y24(1.516,-2.745) Y25(0.758,-2.745) Y27(0,-2.745) Y29(-0.758,-2.745) Y30(-1.516,-2.745) Y32(-2.275,-2.745) Y33(-3.033,-2.745) Y35(-3.791,-2.745) Y36(-4.549,-2.745) Y38(-5.307,-2.745)